# KiCad board bells-venn-rounded.kicad_pcb (continued)
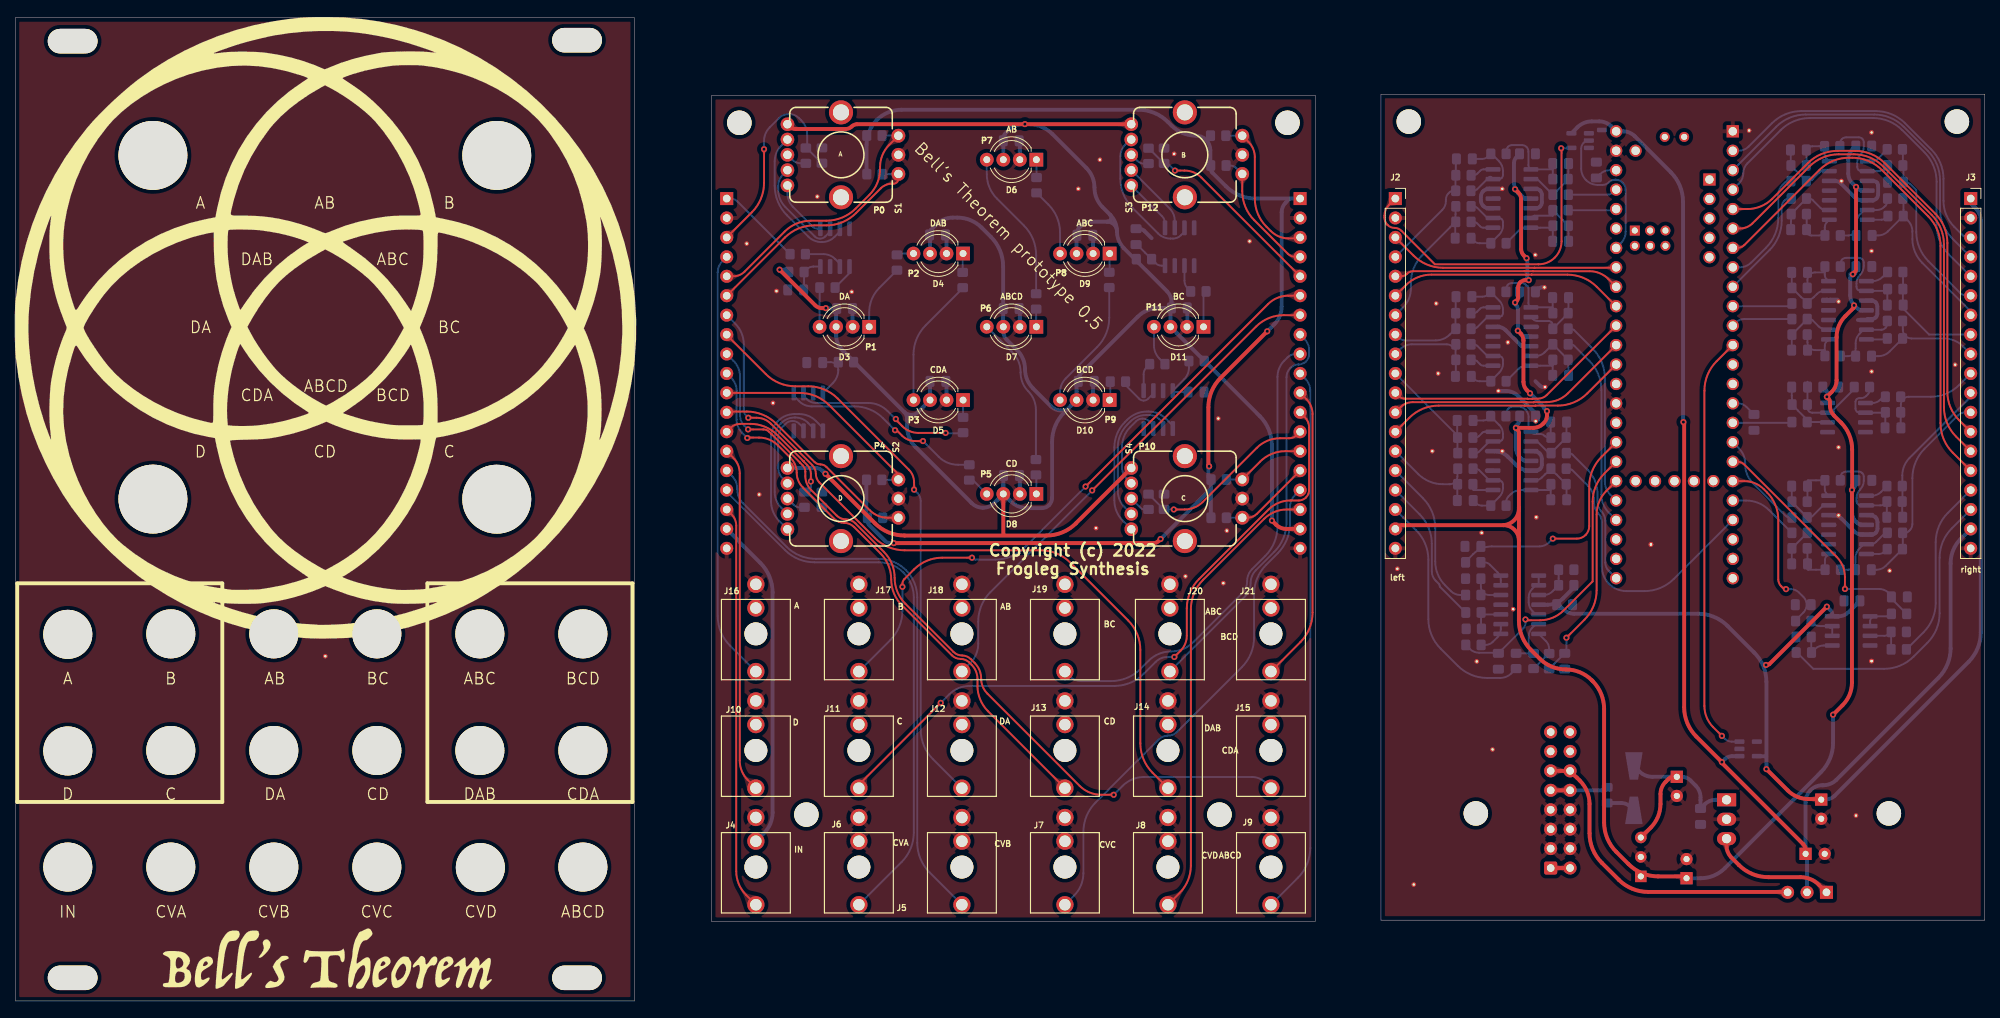
[diagram p0: board, top side]
## Routing (per net, layer and track width the routed paths; a pad name or vN(x,y) marks a point on that pad's centre or on a via; arc(x,y) is an arc through that point) (continued)
/main/BCD: length 58.3
  Top w0.25: J21.1 167.93,46.9 arc(169.1,48.67) 169.52,50.75 169.52,76.7 arc(169.31,77.76) 168.71,78.66 J23.11
  Bottom w0.25: C67.1 246.6,63.25 arc(246.58,63.28) 246.57,63.32 R50.1 ; R59.1 246.58,68.66 arc(246.83,69.92) 247.55,70.99 255.52,78.97 ; 246.61,67.3 246.61,65.28
/main/C: length 115.8
  Top w0.25: v1(120.93,38.96) 110.24,28.27 ; J23.12 168.48,76.35 arc(168.92,75.7) 169.07,74.93 169.07,66.78 arc(168.96,66.26) 168.67,65.81 arc(168.22,65.52) 167.7,65.41 166.61,65.41 arc(165.08,65.11) 163.78,64.24 154.68,55.14 arc(153.5,53.37) 153.09,51.29 153.09,47.73 arc(152.87,46.67) 152.27,45.77 v1(151.46,44.96)
  Bottom w0.25: R60.1 244.4,56.85 arc(243.86,56.49) 243.23,56.36 C62.1 ; 246.65,59.07 246.65,60.9 arc(246.74,61.1) 246.94,61.19 arc(247.21,61.24) 247.43,61.39 247.57,61.53 arc(247.82,61.9) 247.9,62.34 247.9,68.33 arc(248.32,70.42) 249.5,72.18 253.8,76.49 arc(254.3,76.82) 254.89,76.94 J3.12 ; v1(151.46,44.96) 150.56,44.96 arc(149.73,44.79) 149.02,44.32 147.47,42.77 arc(145.7,41.59) 143.62,41.17 124.7,41.17 arc(123.26,40.89) 122.03,40.07 v1(120.93,38.96)
/main/CD: length 90.1
  Top w0.25: v1(95.66,73.58) 95.68,73.61 arc(95.71,73.63) 95.74,73.63 97.17,73.63 arc(98.53,73.37) 99.68,72.6 101.32,70.96 arc(101.91,70.08) 102.11,69.04 arc(102.32,68) 102.91,67.12 107,63.03 arc(107.59,62.63) 108.3,62.49 arc(109,62.35) 109.6,61.95 113.05,58.5 arc(114.09,56.94) 114.46,55.1 arc(114.83,53.26) 115.87,51.69 122.39,45.18 arc(122.91,44.83) 123.53,44.7 arc(124.15,44.58) 124.67,44.23 124.97,43.94 arc(125.53,43.09) 125.73,42.09 125.73,41.21 arc(126.09,39.4) 127.12,37.86 J13.1
  Bottom w0.25: J22.10 93.61,81.37 arc(94.09,80.65) 94.26,79.81 94.26,75.97 arc(94.44,75.06) 94.96,74.28 v1(95.66,73.58) ; R90.1 188.45,73.66 arc(188.42,73.7) 188.42,73.73 C54.2 ; 188.45,73.63 188.45,71.62 ; J2.10 188.45,73.91
/main/CDA: length 116.6
  Top w0.25: v1(143.54,26.95) 141.89,26.95 arc(140.38,27.25) 139.09,28.11 127.04,40.16 arc(126.43,41.08) 126.21,42.16 arc(126,43.24) 125.38,44.16 124.85,44.69 arc(124.34,45.03) 123.73,45.15 arc(123.12,45.28) 122.6,45.62 116.32,51.91 arc(115.28,53.47) 114.91,55.3 arc(114.54,57.14) 113.5,58.7 109.77,62.44 arc(109.21,62.81) 108.55,62.94 arc(107.9,63.07) 107.34,63.44 103.98,66.8 arc(103.43,67.63) 103.24,68.6 103.24,69.18 arc(103.15,69.62) 102.9,70 102.57,70.33 arc(102.56,70.33) 102.56,70.34 arc(102.56,70.35) 102.56,70.35 98.83,74.08 arc(98.83,74.08) 98.82,74.08 arc(98.81,74.09) 98.81,74.09 98.5,74.39 arc(98.16,74.62) 97.76,74.7 v1(95.76,74.7)
  Bottom w0.25: J2.9 180.97,85.19 arc(181.68,85.66) 182.51,85.83 187.02,85.83 arc(187.48,85.74) 187.86,85.48 188.21,85.13 ; 188.21,85.83 188.21,83.79 ; J15.1 163.36,28.55 arc(162.56,29.08) 161.61,29.27 147.5,29.27 arc(145.98,28.97) 144.7,28.11 v1(143.54,26.95) ; v1(95.76,74.7) 95.23,75.23 arc(94.85,75.81) 94.71,76.49 94.71,81.58 arc(94.48,82.72) 93.84,83.68 J22.9 ; R89.1 188.24,81.72 arc(188.23,81.69) 188.21,81.66 C56.2
/main/CVA: length 93
  Bottom w0.25: R117.2 186.2,54.11 arc(186.14,54.2) 186.12,54.3 arc(186.1,54.41) 186.04,54.49 185.61,54.92 arc(185.23,55.49) 185.1,56.16 185.1,59.76 arc(184.69,61.84) 183.51,63.61 J2.16 ; J5.1 115.82,18.16 arc(117,19.93) 117.41,22.01 117.41,52.74 arc(117.06,54.5) 116.07,55.99 arc(114.58,56.99) 112.82,57.34 104.43,57.34 arc(102.35,57.75) 100.58,58.93 92.96,66.55
/main/CVB: length 96.1
  Bottom w0.25: J22.15 93.65,68.63 arc(94.16,67.87) 94.34,66.98 94.34,66.88 arc(94.53,65.89) 95.09,65.06 100.77,59.38 arc(102.53,58.2) 104.62,57.79 112.82,57.79 arc(114.75,57.4) 116.39,56.31 arc(117.48,54.67) 117.86,52.74 117.86,20.67 arc(118.28,18.59) 119.46,16.82 J6.1 ; J2.15 183.96,65.7 arc(185.14,63.93) 185.55,61.85 185.55,57.43 arc(185.88,55.76) 186.83,54.34 187.62,53.56 arc(188.17,53.19) 188.81,53.06 R116.2
/main/CVC: length 90.2
  Bottom w0.25: J23.16 167.23,66.11 arc(166.74,65.38) 166.57,64.51 166.57,62.37 arc(166.15,60.29) 164.97,58.52 163.47,57.02 arc(162.29,55.25) 161.87,53.17 161.87,47.48 arc(161.46,45.4) 160.28,43.63 151.82,35.17 arc(151.26,34.8) 150.61,34.67 arc(149.95,34.54) 149.4,34.17 141.17,25.94 arc(139.99,24.17) 139.57,22.09 139.57,16.7 arc(139.26,15.12) 138.37,13.79 J7.1 ; R13.2 249.36,48.18 arc(250.54,49.95) 250.95,52.03 250.95,59.95 arc(251.37,62.03) 252.55,63.8 J3.16
/main/CVD: length 98.7
  Top w0.25: J23.17 166.15,64.24 arc(164.55,63.92) 163.18,63.01 155.21,55.04 arc(154.03,53.27) 153.62,51.19 153.62,17.7 arc(153.23,15.74) 152.12,14.08 J8.1
  Bottom w0.25: 234.95,43.41 232.85,45.51 arc(232.81,45.53) 232.77,45.54 R15.2 ; J3.17 253.05,61.77 arc(251.87,60) 251.46,57.92 251.46,50.66 arc(251.05,48.58) 249.87,46.81 248.05,45 arc(246.29,43.82) 244.21,43.41 234.97,43.41
/main/D: length 58.8
  Top w0.25: J10.1 95.72,28.87 arc(94.94,30.04) 94.67,31.42 94.67,68.95 arc(94.44,70.06) 93.81,71.01 J22.14
  Bottom w0.25: 188.45,69.55 188.45,68.55 arc(188.16,67.83) 187.44,67.54 186.55,67.54 arc(184.8,67.89) 183.32,68.88 J2.14 ; R91.1 188.46,67.52 arc(188.45,67.5) 188.44,67.48 C58.2
/main/DA: length 87.6
  Top w0.25: 92.96,87.05 98.08,81.93 arc(99.84,80.75) 101.92,80.34 103.61,80.34 arc(105.7,79.93) 107.46,78.75 116.77,69.44 arc(117.27,68.68) 117.45,67.79 v1(117.45,66.83)
  Bottom w0.25: J12.1 119.91,31.61 arc(118.73,33.38) 118.31,35.46 118.31,65.35 arc(118.2,65.92) 117.88,66.4 v1(117.45,66.83) ; J2.8 180.72,86.72 arc(181.14,86.43) 181.64,86.33 185.61,86.33 arc(186.61,86.53) 187.45,87.1 188.21,87.86 ; C55.2 188.24,92.03 arc(188.23,92) 188.22,91.97 R88.1 ; 188.2,89.89 188.2,87.88
/main/DAB: length 117.8
  Top w0.25: J14.1 148.61,29.83 arc(147.43,31.6) 147.02,33.68 147.02,45.89 arc(146.6,47.97) 145.42,49.73 137.85,57.31 arc(136.08,58.49) 134,58.9 116.19,58.9 arc(114.11,59.32) 112.34,60.5 105.09,67.76 arc(104.73,68.28) 104.61,68.9 arc(104.49,69.52) 104.14,70.04 98.72,75.46 arc(97.87,76.03) 96.87,76.23 v1(95.78,76.23)
  Bottom w0.25: R87.1 188.2,101.8 arc(188.17,101.76) 188.16,101.71 C57.2 ; J22.7 94.08,88.52 arc(94.91,87.28) 95.2,85.82 95.2,77.22 arc(95.28,76.84) 95.49,76.52 v1(95.78,76.23) ; J2.7 181.36,90.65 arc(182.11,91.78) 182.37,93.11 182.37,93.83 arc(182.77,95.83) 183.9,97.53 187.49,101.11 arc(188.02,101.91) 188.21,102.84 188.21,103.85
/main/ENCA_A: length 62.3
  Top w0.25: U1.39 206.66,93.34 arc(204.9,94.52) 202.82,94.93 198.15,94.93 arc(198.15,94.93) 198.15,94.93 arc(198.15,94.93) 198.14,94.93 197.4,94.93 185.05,94.93 arc(183.25,94.58) 181.72,93.56 J2.6 ; S1.A 115.4,107.46 arc(115.21,107.01) 114.76,106.82 114.55,106.82 arc(113.77,106.66) 113.1,106.22 109.85,102.97 arc(108.08,101.79) 106,101.37 104.41,101.37 arc(102.33,100.96) 100.57,99.78 J22.6
  Bottom w0.25: 113.3,108.06 115.37,108.06
/main/ENCA_B: length 63.3
  Top w0.25: J22.5 93.83,94.72 arc(94.63,94.88) 95.3,95.33 100.53,100.56 arc(102.11,101.61) 103.96,101.98 105.97,101.98 arc(108.06,102.4) 109.82,103.57 111.61,105.36 arc(112.64,106.91) 113,108.73 113,109 arc(113.32,110.57) 114.2,111.89 S1.B ; U1.40 208.18,94.36 arc(207.05,95.11) 205.72,95.38 198.34,95.38 arc(198.34,95.38) 198.33,95.38 arc(198.33,95.38) 198.33,95.38 197.2,95.38 182.68,95.38 arc(182.24,95.3) 181.88,95.05 arc(181.51,94.8) 181.07,94.72 J2.5
  Bottom w0.25: 113.29,113.11 115.38,113.11
/main/ENCA_SW: length 58.1
  Top w0.25: J22.3 96.25,103.08 arc(97.43,104.84) 97.84,106.93 v1(97.84,111.33) ; J2.3 182.71,97.43 arc(184.48,96.25) 186.56,95.83 198.52,95.83 arc(198.52,95.83) 198.52,95.83 arc(198.52,95.83) 198.53,95.83 209.14,95.83
  Bottom w0.25: 103.48,111.68 103.48,113.19 arc(103.27,114.24) 102.68,115.13 102.43,115.38 arc(101.82,115.78) 101.1,115.93 arc(100.39,115.78) 99.78,115.38 98.59,114.18 arc(98.03,113.36) 97.84,112.38 v1(97.84,111.33) ; 103.38,111.51 105.41,109.47
/main/ENCB_A: length 62.6
  Top w0.25: S3.A 160.33,105.85 arc(160.74,103.79) 161.91,102.03 166.27,97.68 arc(166.74,97.37) 167.29,97.26 J23.4
  Bottom w0.25: U1.3 230.11,114.26 arc(231.88,115.44) 233.96,115.86 242.92,115.86 arc(245.01,115.44) 246.77,114.26 249.92,111.11 arc(251.1,109.34) 251.52,107.26 251.52,103.52 arc(251.93,101.43) 253.11,99.67 J3.4 ; 158.25,109.19 158.74,109.19 arc(159.19,109.1) 159.58,108.85 S3.A
/main/ENCB_B: length 63
  Top w0.25: S3.B 161.15,112.27 arc(161.76,111.36) 161.98,110.29 161.98,104.87 arc(162.37,102.88) 163.5,101.19 164.05,100.64 arc(165.13,99.92) 166.4,99.67 167.77,99.67
  Bottom w0.25: 158.21,113.09 160.33,113.09 ; J3.3 255.14,99.8 arc(254.79,99.87) 254.49,100.07 253.37,101.19 arc(252.33,102.74) 251.97,104.57 251.97,107.45 arc(251.55,109.53) 250.37,111.3 246.96,114.71 arc(245.19,115.89) 243.11,116.31 233.39,116.31 arc(231.31,115.89) 229.55,114.71 226.5,111.66 arc(225.9,111.27) 225.2,111.13 U1.2
/main/ENCB_SW: length 75.6
  Top w0.25: v1(151.54,108.53) 152.81,108.53 arc(153.98,108.3) 154.97,107.64 J23.5
  Bottom w0.25: 148.08,111.48 150.11,109.45 ; J3.5 252.66,97.58 arc(251.48,99.34) 251.07,101.43 251.07,107.08 arc(250.65,109.16) 249.47,110.92 246.58,113.81 arc(244.82,114.99) 242.74,115.41 234.53,115.41 arc(232.44,114.99) 230.68,113.81 226.34,109.48 arc(225.95,108.88) 225.81,108.18 arc(225.67,107.47) 225.27,106.88 U1.4 ; v1(151.54,108.53) 150.5,109.58
/main/ENCC_A: length 80.2
  Top w0.25: J23.15 162.23,63.66 arc(161.68,63.29) 161.03,63.16 S4.A ; U1.7 225,98.43 arc(225.52,98.53) 225.97,98.83 235.76,108.62 arc(237.52,109.8) 239.61,110.21 240.06,110.21 arc(242.14,109.8) 243.91,108.62 249.98,102.54 arc(251.16,100.78) 251.58,98.7 251.58,75.52 arc(251.99,73.44) 253.17,71.67 J3.15
  Bottom w0.25: 158.27,63.16 160.33,63.16
/main/ENCC_B: length 76.2
  Top w0.25: S4.B 162.66,70.49 arc(164.18,71.5) 165.96,71.86 J23.14 ; J3.14 253.62,73.76 arc(252.44,75.53) 252.03,77.61 252.03,98.88 arc(251.61,100.96) 250.43,102.73 244.1,109.07 arc(242.33,110.25) 240.25,110.66 238.29,110.66 arc(236.21,110.25) 234.44,109.07 227.01,101.64 arc(226.27,101.14) 225.39,100.97 U1.6
  Bottom w0.25: 158.27,68.15 160.32,68.15
/main/ENCC_SW: length 86.8
  Top w0.25: U1.5 226.34,103.51 arc(228.1,103.86) 229.59,104.85 234.26,109.52 arc(236.02,110.7) 238.1,111.11 240.43,111.11 arc(242.52,110.7) 244.28,109.52 250.88,102.92 arc(252.06,101.15) 252.48,99.07 252.48,79.6 arc(252.87,77.61) 254,75.92 J3.13 ; v1(151.38,64.24) 152.78,64.24 arc(154.07,64.49) 155.17,65.22 162.23,72.29 arc(163.62,73.22) 165.27,73.55 166.44,73.55 arc(167,73.66) 167.47,73.97 J23.13
  Bottom w0.25: 148.08,66.25 150.11,64.22 ; v1(151.38,64.24) 150.13,64.24
/main/ENCD_A: length 61.9
  Top w0.25: S2.A 114.02,63.16 arc(112.74,63.41) 111.66,64.14 105.99,69.81 arc(105.63,70.05) 105.21,70.13 arc(104.78,70.21) 104.43,70.45 99.43,75.44 arc(97.67,76.62) 95.59,77.04 93.07,77.04 ; U1.37 202.9,79.43 arc(201.61,78.57) 200.09,78.26 198.46,78.26 arc(198.45,78.26) 198.44,78.25 arc(198.43,78.25) 198.42,78.24 197.47,78.24 arc(197.46,78.25) 197.45,78.25 arc(197.44,78.26) 197.42,78.26 182.61,78.26 arc(181.74,78.09) 181,77.6 J2.12
  Bottom w0.25: 113.38,63.16 115.4,63.16
/main/ENCD_B: length 61.7
  Top w0.25: J22.11 102.5,79.48 arc(104.58,79.06) 106.34,77.88 115.4,68.83 ; J2.11 180.72,79.1 arc(181.14,78.81) 181.64,78.71 197.61,78.71 arc(197.62,78.71) 197.63,78.7 arc(197.64,78.7) 197.66,78.69 198.23,78.69 arc(198.24,78.7) 198.25,78.7 arc(198.27,78.71) 198.28,78.71 198.95,78.71 arc(199.59,78.84) 200.13,79.2 U1.38
  Bottom w0.25: 113.26,68.11 115.35,68.11
/main/ENCD_SW: length 52.2
  Top w0.25: U1.36 205.42,79.41 arc(203.65,78.23) 201.57,77.81 198.65,77.81 arc(198.64,77.81) 198.63,77.8 arc(198.61,77.8) 198.6,77.79 197.28,77.79 arc(197.27,77.8) 197.26,77.8 arc(197.25,77.81) 197.24,77.81 186.01,77.81 arc(183.93,77.4) 182.16,76.22 J2.13 ; v1(103.96,67.89) 103.96,68.9 arc(103.84,69.52) 103.49,70.05 103.02,70.52 arc(103.01,70.52) 103.01,70.53 103.01,70.53 99.58,73.97 arc(97.96,75.05) 96.06,75.43 94.72,75.43 arc(94.05,75.29) 93.48,74.91 J22.13
  Bottom w0.25: 103.36,66.54 105.41,64.49 ; v1(103.96,67.89) 103.96,66.78 arc(103.94,66.69) 103.89,66.61 arc(103.82,66.56) 103.73,66.54 103.12,66.54
/main/IN: length 84.8
  Top w0.25: J4.1 95.49,13.86 arc(94.54,15.28) 94.21,16.96 94.21,62.11 arc(94.05,62.93) 93.59,63.61 J22.17
  Bottom w0.25: J2.17 183.06,61.52 arc(184.24,59.75) 184.65,57.67 184.65,49.91 arc(185.07,47.83) 186.25,46.06 188.5,43.81 arc(190.27,42.63) 192.35,42.21 194.03,42.21 arc(194.83,42.37) 195.51,42.83 R118.2
/main/left outs/A_in: length 6.5
  Bottom w0.25: 202.96,105.38 208.07,105.38 arc(208.5,105.47) 208.86,105.71 U1.45
/main/left outs/CD_in: length 18.9
  Bottom w0.25: U1.25 208.21,56.23 arc(207.89,56.71) 207.77,57.29 207.77,62.76 arc(207.64,63.42) 207.26,63.98 arc(206.89,64.55) 206.76,65.21 206.76,66.31 arc(206.42,67.99) 205.47,69.42 203.49,71.4 arc(203.26,71.55) 203,71.6 202.71,71.6
/main/left outs/CDA_in: length 25.5
  Bottom w0.25: U1.28 208.23,63.83 arc(207.51,64.9) 207.26,66.16 207.26,79.83 arc(206.85,81.91) 205.67,83.68 203.72,85.62 arc(203.5,85.77) 203.23,85.83 202.95,85.83
/main/left outs/D_in: length 37.3
  Bottom w0.25: 202.69,69.57 202.98,69.57 arc(203.25,69.52) 203.47,69.37 205.52,67.32 arc(206.1,66.45) 206.31,65.42 206.31,65.02 arc(206.44,64.36) 206.81,63.8 arc(207.19,63.23) 207.32,62.57 207.32,56.78 arc(207.57,55.55) 208.26,54.51 arc(209.31,53.81) 210.54,53.57 212.88,53.57 arc(214.97,53.98) 216.73,55.16 U1.21
/main/left outs/DA_in: length 25
  Bottom w0.25: 202.95,87.86 203.23,87.86 arc(203.5,87.81) 203.72,87.66 206.12,85.26 arc(207.3,83.49) 207.71,81.41 207.71,67.93 arc(207.91,66.97) 208.45,66.15 U1.29
/main/left outs/DAB_in: length 6.1
  Bottom w0.25: 202.95,103.35 209.04,103.35
/main/np_ctl: length 55.2
  Top w0.25: J2.1 179.49,104.03 arc(179.07,103.39) 178.92,102.64 178.92,102.39 arc(179.02,101.87) 179.31,101.43 179.33,101.41 arc(179.75,101.14) 180.23,101.04 arc(180.72,100.94) 181.13,100.67 181.78,100.02 ; 185.51,96.28 199.05,96.28 arc(200.2,96.51) 201.18,97.16 arc(201.83,98.14) 202.06,99.29 202.06,111.37 arc(202.05,111.4) 202.03,111.43 v1(202.01,111.46) ; 181.79,100 185.5,96.29
  Bottom w0.25: R9.1 94.34,104.52 arc(93.94,104.78) 93.47,104.88 J22.1 ; v1(202.01,111.46) 203.3,111.46
/main/right outs/AB_in: length 14.7
  Bottom w0.25: 232.05,104.88 231.76,104.88 arc(231.49,104.82) 231.27,104.67 231.15,104.56 arc(230.91,104.2) 230.83,103.78 230.83,101.99 arc(230.41,99.91) 229.24,98.15 U1.9
/main/right outs/ABC_in: length 7.3
  Bottom w0.25: U1.10 231.78,90.81
/main/right outs/ABCD_in: length 7.6
  Bottom w0.25: U1.16 232.04,75.57
/main/right outs/B_in: length 15.4
  Bottom w0.25: 232.01,107.16 231.72,107.16 arc(231.46,107.11) 231.23,106.96 230.91,106.63 arc(230.52,106.05) 230.38,105.36 230.38,102.3 arc(229.96,100.22) 228.78,98.46 226.84,96.51 arc(226.14,96.05) 225.32,95.89 U1.8
/main/right outs/BC_in: length 8
  Bottom w0.25: U1.11 224.87,88.7 arc(225.34,89.02) 225.91,89.13 232.14,89.13
/main/right outs/BCD_in: length 13.1
  Bottom w0.25: U1.17 225.25,72.21 arc(225.85,71.31) 226.06,70.25 226.06,70.05 arc(226.31,68.8) 227.02,67.74 231.36,63.4 arc(231.58,63.25) 231.85,63.2 232.14,63.2
/main/right outs/C_in: length 9.3
  Bottom w0.25: U1.20 226.18,65.41 arc(227.79,65.08) 229.15,64.17 232.14,61.19
/main/scaleleft/CVA_out: length 37.8
  Top w0.25: U1.31 207.66,68.95 arc(206.52,67.25) 206.12,65.24 206.12,54.85 ; 206.12,54.84 202.31,51.03 arc(200.9,50.09) 199.24,49.76 197.51,49.76 arc(197.45,49.77) 197.39,49.81 v1(197.34,49.86)
  Bottom w0.25: 193.73,45.51 191.29,45.51 arc(190.62,45.64) 190.05,46.02 R129.1 ; v1(197.34,49.86) 197.34,49.42 arc(197.26,49.01) 197.03,48.67 C49.1
/main/scaleleft/CVB_out: length 30.3
  Top w0.25: U1.32 207.27,71.1 arc(206.09,69.33) 205.67,67.25 205.67,62.04 arc(205.55,61.43) 205.2,60.9 arc(204.67,60.55) 204.05,60.43 v1(200.91,60.43)
  Bottom w0.25: v1(200.91,60.43) 200.41,59.92 arc(199.84,59.54) 199.18,59.41 192.93,59.41 arc(191.62,59.15) 190.52,58.41 189.52,57.41
/main/scaleleft/IN_out: length 27.2
  Top w0.25: U1.30 207.92,66.67 arc(206.97,65.25) 206.64,63.58 206.64,53.67 arc(206.23,51.59) 205.05,49.83 202.84,47.62
  Bottom w0.25: R130.1 C51.1 ; v1(202.69,47.47) 202.69,45.66
/main/scaleright/CVC_out: length 32.7
  Top w0.25: U1.18 225,70.49 arc(225.52,70.38) 225.97,70.09 237.99,58.06 arc(238.8,56.84) 239.09,55.4 v1(239.09,53.85)
  Bottom w0.25: 245.29,52.84 244.78,53.34 arc(244.23,53.72) 243.57,53.85 v1(239.09,53.85) ; R114.1 245.24,52.52 arc(245.18,52.6) 245.16,52.7 C53.1
/main/scaleright/CVD_out: length 24.9
  Top w0.25: v1(231.39,53.82) 231.27,53.82 arc(231.15,53.85) 231.05,53.91 230.76,54.2 arc(230.48,54.63) 230.38,55.12 230.38,62.92 arc(230,64.84) 228.9,66.47 228.49,66.89 arc(227.32,67.67) 225.93,67.95 U1.19
  Bottom w0.25: R115.1 232.64,49.7 arc(232.65,49.75) 232.67,49.78 233.66,50.77 arc(234.08,51.79) 233.66,52.81 233.09,53.38 arc(232.6,53.71) 232.02,53.82 v1(231.39,53.82)
Net-(C6-Pad1): length 4.6
  Bottom w0.25: 103.07,93 103.07,94.77 arc(103.17,95.24) 103.43,95.63 arc(103.82,95.89) 104.29,95.99 U14.8
Net-(C7-Pad1): length 6.4
  Bottom w0.25: 234.04,111.23 234.28,111.47 arc(234.54,111.65) 234.86,111.71 235.73,111.71 arc(236.2,111.51) 236.4,111.04 236.4,110.84 arc(236.48,110.41) 236.72,110.05 237.05,109.73 ; 234.06,109.19 234.06,111.2
Net-(C7-Pad2): length 8.3
  Bottom w0.25: 232.01,109.19 232.01,111.2 ; 232.03,109.19 233.86,107.37 arc(234.08,107.22) 234.35,107.16 arc(234.61,107.22) 234.84,107.37 235.88,108.41 arc(235.94,108.45) 236,108.46 237.05,108.46
Net-(C8-Pad1): length 6
  Bottom w0.25: U5.14 236.7,94.33 arc(236.52,94.6) 236.46,94.92 236.46,95.99 ; 234.19,93.19 234.19,94.21 arc(234.49,94.93) 235.2,95.22 236.35,95.22 arc(236.39,95.23) 236.43,95.26 236.46,95.29
Net-(C8-Pad2): length 7.4
  Bottom w0.25: 232.41,92.94 233.36,91.99 arc(234.19,91.64) 235.01,91.99 235.45,92.42 arc(235.88,92.71) 236.39,92.81 U5.13 ; 232.14,95.22 232.14,93.19
Net-(C9-Pad1): length 6.8
  Bottom w0.25: 237.05,102.11 236.75,101.81 arc(236.53,101.49) 236.46,101.1 236.46,100.78 arc(236.24,100.27) 235.72,100.05 234.69,100.05 arc(234.46,100.1) 234.26,100.23 arc(234.13,100.43) 234.09,100.66 234.09,102.84
Net-(C9-Pad2): length 8.3
  Bottom w0.25: 234.1,104.88 234.38,104.88 arc(234.65,104.82) 234.87,104.67 235.9,103.65 arc(236.23,103.43) 236.61,103.35 237.02,103.35 ; 232.04,100.84 232.04,101.84 arc(232.22,102.77) 232.75,103.55 234.07,104.88
Net-(C10-Pad1): length 6.2
  Bottom w0.25: U5.8 236.7,86.22 arc(236.52,85.95) 236.46,85.63 236.46,84.3 ; 234.19,87.1 234.19,86.08 arc(234.49,85.36) 235.2,85.06 236.35,85.06 arc(236.39,85.06) 236.43,85.03 236.46,85
Net-(C10-Pad2): length 8
  Bottom w0.25: 232.14,87.1 232.14,85.06 ; 236.82,87.86 236.39,87.86 arc(236,87.94) 235.66,88.16 234.88,88.95 arc(234.68,89.08) 234.44,89.13 arc(234.21,89.08) 234.01,88.95 232.16,87.1
Net-(C11-Pad1): length 7.1
  Bottom w0.25: U6.14 236.71,66.29 arc(236.52,66.57) 236.46,66.9 236.46,67.76 arc(236.37,67.96) 236.17,68.05 234.29,68.05 arc(234.25,68.04) 234.22,68.02 arc(234.2,67.98) 234.19,67.94 234.19,65.25
Net-(C11-Pad2): length 7.6
  Bottom w0.25: 236.25,64.77 234.84,63.37 arc(234.65,63.24) 234.43,63.2 arc(234.21,63.24) 234.02,63.37 232.14,65.25 ; 232.14,67.28 232.14,65.25
Net-(C12-Pad1): length 7.1
  Bottom w0.25: U6.8 236.72,58.18 arc(236.54,57.91) 236.47,57.59 236.47,56.65 arc(236.39,56.45) 236.19,56.36 234.29,56.36 arc(234.25,56.37) 234.22,56.39 arc(234.2,56.43) 234.19,56.47 234.19,59.16
Net-(C12-Pad2): length 7.6
  Bottom w0.25: 232.16,59.16 233.98,60.99 arc(234.21,61.14) 234.48,61.19 arc(234.74,61.14) 234.97,60.99 236.29,59.66 ; 232.14,57.12 232.14,59.16
Net-(C13-Pad1): length 11.4
  Bottom w0.25: 234.21,77.95 234.21,77.51 arc(234.25,77.27) 234.39,77.07 arc(234.59,76.93) 234.83,76.89 U7.7 237.01,76.89 arc(237.18,76.92) 237.33,77.02 240.22,79.92 arc(240.29,80.01) 240.31,80.12 R47.2 ; 234.19,77.97 234.19,80.94
Net-(C13-Pad2): length 7.6
  Bottom w0.25: 232.14,80.24 232.14,79.1 arc(232.35,78.06) 232.94,77.17 234.19,75.92 ; 234.19,75.67 236.77,75.67
Net-(C22-Pad1): length 7.6
  Bottom w0.25: 198.88,107.42 200.91,105.38 ; 202.95,109.43 202.95,108.41 arc(202.76,107.47) 202.23,106.67 R62.1
Net-(C22-Pad2): length 11.5
  Bottom w0.25: 200.91,108.75 200.88,108.72 arc(200.85,108.69) 200.81,108.69 198.29,108.69 arc(198.07,108.73) 197.89,108.85 arc(197.77,109.03) 197.73,109.24 197.73,111.01 arc(197.66,111.34) 197.48,111.61 arc(197.2,111.8) 196.88,111.86 195.59,111.86 arc(195.3,111.8) 195.06,111.64 arc(194.89,111.39) 194.84,111.11 194.84,110.72 ; 200.91,109.45 200.91,107.43
Net-(C23-Pad1): length 8.4
  Bottom w0.25: 202.96,99.29 202.96,100.3 arc(202.78,101.24) 202.25,102.04 200.93,103.35 ; U8.6 198.21,102.49 arc(198.37,102.6) 198.57,102.64 200.87,102.64 arc(200.88,102.64) 200.89,102.64 arc(200.89,102.65) 200.9,102.66 200.9,103.35
Net-(C23-Pad2): length 8.7
  Bottom w0.25: R75.2 196.41,100.64 arc(196.89,100.96) 197.45,101.07 U8.7 200.66,101.07 ; 200.91,101.32 200.91,99.29
Net-(C24-Pad1): length 8.7
  Bottom w0.25: 202.96,91.92 202.96,89.9 ; U9.2 198.31,89.12 arc(198.6,88.93) 198.94,88.87 200.37,88.87 arc(200.57,88.83) 200.74,88.71 arc(200.86,88.54) 200.9,88.34 200.9,87.86 ; 200.91,87.86 202.95,89.89
Net-(C24-Pad2): length 11.5
  Bottom w0.25: 194.82,92.68 194.82,93.07 arc(194.88,93.36) 195.04,93.61 arc(195.28,93.77) 195.57,93.83 196.89,93.83 arc(197.11,93.78) 197.3,93.66 197.45,93.51 arc(197.48,93.49) 197.51,93.48 arc(197.54,93.48) 197.57,93.46 197.64,93.39 arc(197.7,93.29) 197.73,93.17 197.73,91.21 arc(197.77,91) 197.89,90.82 arc(198.07,90.7) 198.29,90.65 200.79,90.65 arc(200.83,90.64) 200.87,90.62 200.9,90.59 ; 200.9,89.89 200.9,91.91
Net-(C25-Pad1): length 8.2
  Bottom w0.25: U9.6 198.71,84.3 arc(199.32,84.42) 199.84,84.77 200.9,85.83 ; 202.95,81.78 202.95,82.79 arc(202.76,83.72) 202.23,84.51 200.91,85.83
Net-(C25-Pad2): length 8.9
  Bottom w0.25: R77.2 196.41,82.6 arc(196.89,82.92) 197.45,83.03 U9.7 200.79,83.03 arc(200.83,83.04) 200.87,83.06 200.9,83.09 ; 200.9,83.79 200.9,81.78
Net-(C26-Pad1): length 7.1
  Bottom w0.25: 198.88,73.13 200.41,71.6 ; 200.66,71.6 202.69,73.63 ; 202.7,75.67 202.7,73.64
Net-(C26-Pad2): length 11.3
  Bottom w0.25: 200.64,75.66 200.64,73.92 arc(200.56,73.72) 200.35,73.63 arc(200.09,73.69) 199.86,73.84 199.84,73.87 arc(199.58,74.04) 199.28,74.1 198.57,74.1 arc(198.37,74.14) 198.21,74.25 197.9,74.55 arc(197.79,74.72) 197.75,74.92 197.75,76.32 arc(197.64,76.85) 197.34,77.29 arc(196.9,77.59) 196.37,77.7 195.79,77.7 arc(195.42,77.62) 195.1,77.41 195.07,77.38 arc(194.88,77.1) 194.82,76.78 194.82,76.43
Net-(C27-Pad1): length 7.6
  Bottom w0.25: 202.71,65.51 202.71,67.52 ; 202.67,67.54 201.4,68.81 arc(200.64,69.12) 199.88,68.81 199.49,68.42 arc(199.08,68.14) 198.59,68.05 U10.6
Net-(C27-Pad2): length 9.1
  Bottom w0.25: R79.2 194.81,65.19 arc(194.89,65.59) 195.12,65.94 195.39,66.2 arc(196.02,66.63) 196.77,66.78 200.54,66.78 arc(200.58,66.78) 200.61,66.81 200.64,66.84 ; 200.64,67.54 200.64,65.52
Net-(C30-Pad1): length 4.8
  Bottom w0.25: 146.58,98.86 R92.2 149.02,96.42 arc(149.37,96.19) 149.79,96.1 U16.8
Net-(C31-Pad1): length 6.7
  Bottom w0.25: R100.2 153.37,82.76 arc(153.2,81.94) 152.74,81.25 151.35,79.86 arc(151.31,79.77) 151.35,79.67 arc(151.46,79.6) 151.58,79.58 C31.1
Net-(C32-Pad1): length 6.3
  Bottom w0.25: 105.55,83.49 106.55,83.49 arc(107.25,83.2) 107.54,82.5 107.54,82.48 arc(107.36,81.55) 106.83,80.75 U15.8
Net-(C34-Pad1): length 11.2
  Bottom w0.25: 192.91,110.72 193.88,109.75 arc(194.27,109.17) 194.41,108.48 194.41,107.97 arc(194.36,107.76) 194.24,107.58 arc(194.06,107.46) 193.85,107.42 193.32,107.42 arc(193.12,107.46) 192.96,107.57 192.86,107.66 arc(192.8,107.7) 192.72,107.72 arc(192.65,107.7) 192.59,107.66 191.02,106.1 arc(190.8,105.95) 190.53,105.89 190.25,105.89 ; R74.1 192.48,110.39 arc(192.12,110.14) 191.68,110.06 C34.1
Net-(C54-Pad1): length 10.2
  Bottom w0.25: R78.1 192.51,76.15 arc(192.2,75.94) 191.84,75.87 C54.1 ; 192.62,73.13 191.3,71.81 arc(191.07,71.66) 190.81,71.6 190.52,71.6 ; 192.77,76.43 193.93,75.27 arc(194.28,74.74) 194.41,74.12 194.41,73.68 arc(194.36,73.47) 194.24,73.29 arc(194.06,73.17) 193.85,73.13 U10.13
Net-(C55-Pad1): length 10.3
  Bottom w0.25: 192.77,92.68 193.93,91.52 arc(194.28,91) 194.41,90.38 194.41,89.94 arc(194.36,89.73) 194.24,89.55 arc(194.06,89.42) 193.85,89.38 U9.13 ; 192.36,89.38 191.04,88.06 arc(190.82,87.91) 190.55,87.86 190.26,87.86 ; R76.1 192.48,92.37 arc(192.12,92.13) 191.71,92.05 C55.1
Net-(C56-Pad1): length 10.4
  Bottom w0.25: 192.79,81 193.92,82.14 arc(194.28,82.67) 194.41,83.3 194.41,83.75 arc(194.36,83.96) 194.24,84.14 arc(194.06,84.26) 193.85,84.3 U9.9 ; 192.36,84.3 191.04,85.62 arc(190.82,85.77) 190.55,85.83 190.26,85.83 ; C56.1 190.58,81.32 arc(190.93,81.08) 191.35,81 R77.1
Net-(C57-Pad1): length 10.3
  Bottom w0.25: 192.28,102.42 191.04,103.66 arc(190.82,103.81) 190.55,103.86 190.26,103.86 ; C57.1 190.57,99.36 arc(190.93,99.12) 191.37,99.03 R75.1 ; U8.9 193.85,102.34 arc(194.06,102.29) 194.24,102.17 arc(194.36,101.99) 194.41,101.78 194.41,101.33 arc(194.28,100.71) 193.92,100.17 192.79,99.03
Net-(C58-Pad1): length 10.2
  Bottom w0.25: U10.9 193.85,68.05 arc(194.06,68) 194.24,67.88 arc(194.36,67.7) 194.41,67.49 194.41,67.04 arc(194.28,66.42) 193.92,65.88 192.79,64.74 ; R79.1 191.64,64.74 arc(191.21,64.83) 190.85,65.07 C58.1 ; 192.62,68.05 191.3,69.37 arc(191.07,69.52) 190.81,69.57 190.52,69.57